# KiCad board panel1.kicad_pcb (continued)
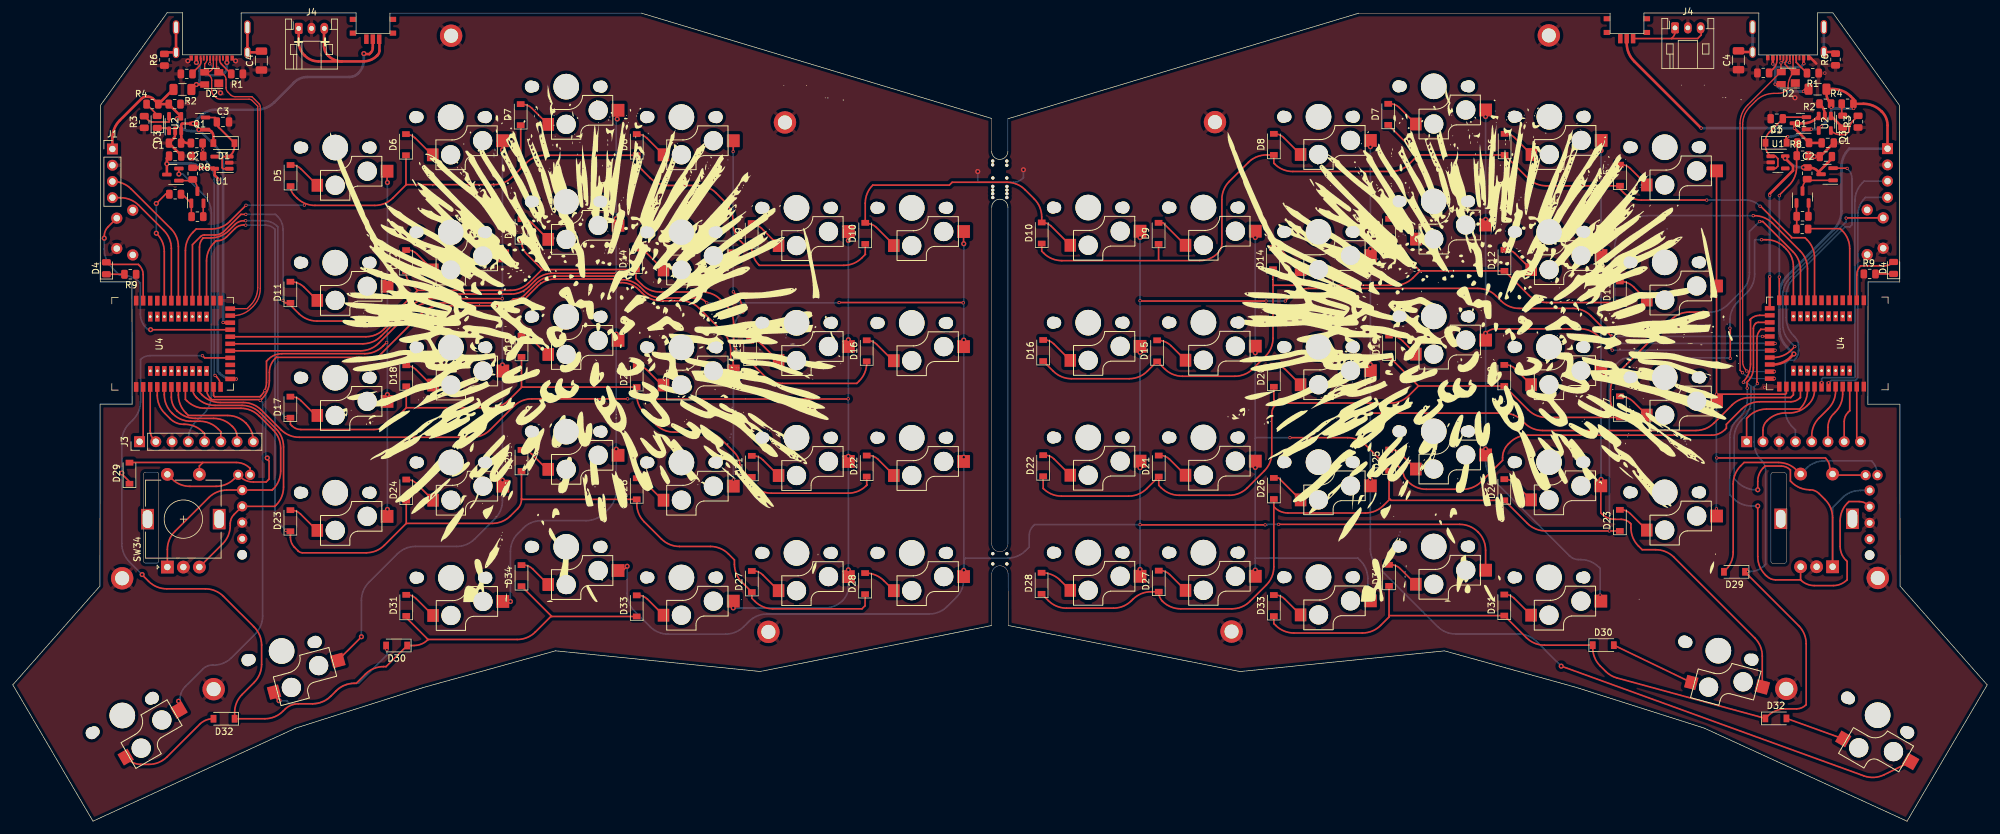
[diagram p0: board, top side]
## Routing (per net, layer and track width the routed paths; a pad name or vN(x,y) marks a point on that pad's centre or on a via; arc(x,y) is an arc through that point) (continued)
RST: length 24.8
  Top w0.25: J3#2.7 286.21,62.52 arc(286.36,63.28) 286.79,63.93 287.07,64.21 287.07,64.21 U4.35 ; U4#2.6 24.78,66.33 arc(25.01,65.18) 25.66,64.21 25.68,64.18 arc(26.98,63.31) 28.51,63.01 31.39,63.01 arc(32.92,62.71) 34.22,61.84 34.46,61.6 arc(34.9,60.95) 35.05,60.18 J3.7
SCLK: length 22.8
  Top w0.25: J3.5 29.97,60.63 29.69,60.91 arc(28.39,61.77) 26.86,62.08 26.72,62.08 arc(25.57,62.31) 24.59,62.96 23.75,63.8 arc(22.88,65.1) 22.58,66.63 U4#2.4 ; U4.33 284.87,67.32 arc(284.56,65.79) 283.7,64.5 282.3,63.1 arc(281.43,61.8) 281.13,60.27 J3#2.5
SWC: length 64.8
  Top w0.25: U4#2.31 25.88,89.86 arc(25.57,91.39) 24.71,92.69 18.5,98.9 arc(17.2,99.76) 15.67,100.07 J1.3 ; U4.31 v2(282.67,68.6)
  Bottom w0.25: J1#2.3 289.32,100.12 289.06,99.85 arc(288.19,98.55) 287.88,97.02 287.88,69.53 287.74,69.39 282.88,69.39 282.68,69.19 282.68,68.61 v2(282.67,68.6)
SWD: length 58.2
  Top w0.25: J1.4 16.84,97.53 arc(18.37,97.22) 19.66,96.36 23.61,92.41 arc(24.47,91.12) 24.78,89.59 U4#2.32
  Bottom w0.25: v2(283.77,68.55) 284.15,68.94 287.93,68.94 288.33,69.34 288.33,94.73 arc(288.64,96.26) 289.5,97.56 289.52,97.58 J1#2.4
Net-(C3-Pad1): length 26.9
  Top w0.25: Q1.2 276.85,110.12 C3#2.1 274.49,107.76 arc(274.06,107.11) 273.91,106.34 D1.1 273.91,105.65 arc(274.06,104.88) 274.49,104.23 U1#2.1 275.47,104.01 275.84,103.63 275.84,102.46 275.49,102.11 U1#2.3 ; 30.18,110.07 31.61,110.07 31.8,109.88 ; U1.1 32.86,102.06 32.71,102.21 32.71,103.71 32.96,103.96 U1.3
  Top w0.3: U1.3 34.06,104.18 arc(34.49,104.83) 34.64,105.6 D1#2.1 32.18,108.53 arc(31.96,108.85) 31.89,109.24
Net-(D3-Pad1): length 4.6
  Top w0.25: U2.1 23.97,108.44 D3#2.1
  Top w0.4: D3.1 284.15,110.31 U2#2.1
Net-(D3-Pad2): length 4.3
  Top w0.25: D3.2 285.82,110.51 R4.2 ; 20.88,112.17 22.58,110.47
Net-(D4-Pad1): length 5.6
  Top w0.25: D4.1 14.63,85.55 R9.1 ; R9#2.1 293.92,85.6 D4#2.1
Net-(D5-Pad2): length 10.8
  Top w0.25: D5#2.2 251.36,102.69 arc(252.12,102.54) 252.77,102.11 SW2#2.1 ; D5.2 43.59,102.64 arc(44.36,102.49) 45.01,102.06 SW2.1
Net-(D6-Pad2): length 10.8
  Top w0.25: SW3.1 234.68,106.93 arc(234.03,107.36) 233.26,107.52 D6.2 ; 61.29,107.44 61.47,107.44 arc(62.24,107.29) 62.89,106.86 65.47,104.27
Net-(D7-Pad2): length 10.9
  Top w0.25: D7#2.2 215.27,112.22 arc(216.03,112.06) 216.68,111.63 SW4.1 ; 79.5,112.12 79.69,112.12 arc(80.45,111.96) 81.1,111.53 83.68,108.95
Net-(D8-Pad2): length 10.8
  Top w0.25: 97.48,107.44 97.67,107.44 arc(98.43,107.29) 99.08,106.86 101.67,104.27 ; SW5#2.1 198.61,106.93 arc(197.96,107.36) 197.19,107.52 D8.2
Net-(D9-Pad2): length 11.1
  Top w0.25: SW6.1 179.76,93.6 D9#2.2 ; 119.6,90.15 117.02,92.73 arc(116.37,93.17) 115.6,93.32 115.41,93.32
Net-(D10-Pad2): length 47.8
  Top w0.25: D10.2 133.22,96.66 arc(133.52,98.19) 134.39,99.49 146.35,99.49 146.81,99.94 155.37,99.94 arc(156.9,99.64) 158.19,98.77 159.63,97.34 arc(160.49,96.04) 160.8,94.51 D10#2.2 160.87,93.65 arc(161.64,93.5) 162.29,93.06 SW7.1 ; 133.35,93.47 133.53,93.47 arc(134.3,93.32) 134.95,92.89 137.53,90.3
Net-(D11-Pad2): length 10.6
  Top w0.25: D11.2 43.43,84.38 arc(44.58,84.15) 45.55,83.5 SW8#2.1 ; SW8.1 253.32,83.55 arc(252.35,84.2) 251.2,84.43 D11#2.2
Net-(D12-Pad2): length 10.8
  Top w0.25: D12#2.2 233.36,89.38 arc(234.13,89.23) 234.78,88.8 SW9.1 ; D12.2 61.72,89.33 arc(62.48,89.18) 63.13,88.75 SW9#2.1
Net-(D13-Pad2): length 10.8
  Top w0.25: D13.2 215.27,94.22 arc(216.03,94.07) 216.68,93.63 SW10#2.1 ; SW10.1 81.1,93.58 arc(80.45,94.02) 79.69,94.17 D13#2.2
Net-(D14-Pad2): length 11.2
  Top w0.25: SW11.1 98.92,89 arc(98.27,89.43) 97.5,89.59 D14.2 ; D14#2.2 197.07,89.64 arc(197.83,89.48) 198.48,89.05 SW11#2.1
Net-(D15-Pad2): length 11
  Top w0.25: 115.39,75.21 115.58,75.21 arc(116.34,75.06) 116.99,74.62 119.57,72.04 ; D15#2.2 178.91,75.22 arc(180.06,74.99) 181.03,74.34 SW12#2.1
Net-(D16-Pad2): length 10.9
  Top w0.25: 133.4,75.18 133.58,75.18 arc(134.35,75.03) 135,74.6 137.58,72.02 ; D16.2 161.24,75.27 arc(162.01,75.12) 162.66,74.69 SW13#2.1
Net-(D17-Pad2): length 10.7
  Top w0.25: SW14.1 253.29,65.58 arc(252.32,66.23) 251.17,66.46 D17.2 ; 43.43,66.37 43.62,66.37 arc(44.38,66.22) 45.03,65.79 47.61,63.2
Net-(D18-Pad2): length 10.8
  Top w0.25: 65.6,68.05 63.02,70.64 arc(62.37,71.07) 61.6,71.22 61.41,71.22 ; D18.2 233.34,71.37 arc(234.1,71.22) 234.75,70.79 SW15#2.1
Net-(D19-Pad2): length 10.7
  Top w0.25: D19.2 215.11,75.97 arc(216.25,75.74) 217.23,75.09 SW16#2.1 ; 83.81,72.68 81.23,75.26 arc(80.58,75.69) 79.81,75.85 79.62,75.85
Net-(D20-Pad2): length 10.7
  Top w0.25: 97.46,71.2 97.64,71.2 arc(98.41,71.04) 99.06,70.61 101.64,68.03 ; SW17#2.1 198.86,70.66 arc(198.21,71.09) 197.45,71.25 D20.2
Net-(D21-Pad2): length 10.8
  Top w0.25: D21.2 179.36,57.2 arc(180.13,57.05) 180.78,56.61 SW18#2.1 ; 115.59,57.13 115.78,57.13 arc(116.54,56.97) 117.19,56.54 119.78,53.96
Net-(D22-Pad2): length 10.9
  Top w0.25: 133.6,57.2 133.79,57.2 arc(134.55,57.05) 135.2,56.62 137.78,54.03 ; D22#2.2 161.3,57.25 arc(162.07,57.1) 162.72,56.66 SW19.1
Net-(D23-Pad2): length 10.8
  Top w0.25: 47.54,45.47 44.96,48.06 arc(44.31,48.49) 43.54,48.64 43.35,48.64 ; SW20#2.1 252.77,48.12 arc(252.12,48.55) 251.36,48.7 D23.2
Net-(D24-Pad2): length 10.9
  Top w0.25: D24#2.2 233.21,53.49 arc(233.98,53.34) 234.63,52.91 SW21#2.1 ; D24.2 61.61,53.44 arc(62.38,53.29) 63.03,52.86 SW21.1
Net-(D25-Pad2): length 10.8
  Top w0.25: D25#2.2 215.39,58.13 arc(216.16,57.97) 216.81,57.54 SW22#2.1 ; 83.66,54.87 81.07,57.45 arc(80.43,57.89) 79.66,58.04 79.47,58.04
Net-(D26-Pad2): length 11
  Top w0.25: D26.2 197.82,53.7 SW23#2.1 ; 97.35,53.42 97.54,53.42 arc(98.31,53.26) 98.96,52.83 101.54,50.25
Net-(D27-Pad2): length 10.7
  Top w0.25: SW24.1 117.18,38.56 arc(116.53,38.99) 115.77,39.14 D27.2 ; D27#2.2 179.36,39.19 arc(180.13,39.04) 180.78,38.61 SW24#2.1
Net-(D28-Pad2): length 10.9
  Top w0.25: SW25.1 163.68,37.69 arc(162.39,38.56) 160.86,38.86 D28#2.2 ; SW25#2.1 136.1,37.64 arc(134.81,38.51) 133.28,38.81 D28.2
Net-(D29-Pad2): length 63.6
  Top w0.25: 29.71,56.11 34.92,56.11 arc(36.07,55.88) 37.05,55.23 37.08,55.19 37.08,54.19 SW32.S1 ; 29.71,56.11 18.54,56.11 ; 29.71,56.11 29.16,55.55 SW34.S1 ; D29#2.2 267.69,39.29 arc(268.55,40.59) 268.86,42.12 268.86,52.75 arc(269.16,54.28) 270.03,55.58 270.56,56.11 275.93,56.11 arc(277.46,55.8) 278.76,54.94 SW34#2.S1
  Bottom w0.25: SW32#2.S1 291.41,54.19 arc(291.18,55.34) 290.53,56.31 290.47,56.36 283.11,56.36 arc(281.58,56.06) 280.28,55.19 SW34#2.S1
Net-(D30-Pad2): length 35.8
  Top w0.25: SW26.1 40.83,19.62 v1(41.6,18.85) ; SW26#2.1 D30#2.2
  Bottom w0.25: v1(41.6,18.85) 42.8,18.85 43.25,18.39 46.85,18.39 arc(48.38,18.69) 49.68,19.56 50.54,20.42 arc(51.84,21.29) 53.37,21.59 54.05,21.59 58.47,26.01 v2(58.47,26.82)
Net-(D31-Pad2): length 10.9
  Top w0.25: D31#2.2 61.61,35.41 arc(62.38,35.26) 63.03,34.82 SW27#2.1 ; SW27.1 234.63,34.87 arc(233.98,35.31) 233.21,35.46 D31.2
Net-(D32-Pad2): length 26.2
  Top w0.25: SW28#2.1 17.9,9.77 arc(18.87,9.12) 20.02,8.89 21.28,8.89 arc(22.81,9.2) 24.1,10.06 29.19,15.15 arc(30.16,15.8) 31.31,16.03 D32#2.2 ; SW28.1 D32.2
Net-(D33-Pad2): length 10.8
  Top w0.25: SW29#2.1 99.17,34.74 arc(98.52,35.17) 97.76,35.33 D33#2.2 ; SW29.1 198.73,34.79 arc(198.09,35.22) 197.32,35.38 D33.2
Net-(D34-Pad2): length 10.7
  Top w0.25: D34.2 79.81,40.06 arc(80.58,39.9) 81.23,39.47 SW30#2.1 ; SW30.1 216.81,39.52 arc(216.16,39.95) 215.39,40.11 D34#2.2
Net-(J4-Pad1): length 39.4
  Top w0.25: 263.86,124.05 263.86,122.97 263.31,122.42 259.25,122.42 ; 259.25,122.42 259.28,122.45 arc(259.71,123.1) 259.86,123.86 259.86,124.05 ; 259.25,122.42 SW33#2.1
  Top w0.4: 48.64,123.9 48.64,121.23 arc(48.79,120.46) 49.22,119.81 49.31,119.73 arc(50.28,119.08) 51.43,118.85 ; 51.43,118.85 47.77,118.85 arc(46.62,119.08) 45.65,119.73 45.55,119.82 arc(44.9,120.8) 44.67,121.94 44.67,124 ; 51.43,118.85 54.79,118.85 arc(55.93,119.08) 56.91,119.73 57.01,119.82 arc(57.22,120.15) 57.3,120.53 57.3,122.28
Net-(Q2-Pad1): length 8.4
  Top w0.25: R10.2 278.78,92.68 R11#2.2 278.75,94.65 Q2#2.1 ; R11.2 27.9,94.6 Q2.1 26.48,98.07 R10#2.2
Net-(Q2-Pad2): length 4.2
  Top w0.25: Q2#2.2 280.65,94.65 R11#2.1 ; Q2.2 29.76,96.61 R11.1
Net-(Q2-Pad3): length 10.5
  Top w0.25: Q3#2.1 27.92,100.19 R12.1 28.26,100.23 arc(28.7,99.58) 28.85,98.82 Q2.3 ; Q3.1 280.62,100.24 R12#2.1 280.28,100.28 arc(279.85,99.63) 279.7,98.87 Q2#2.3
Net-(R3-Pad2): length 11.2
  Top w0.25: 24.42,110.22 24.42,109.36 21.91,109.36 arc(21.52,109.44) 21.2,109.66 20.54,110.31 ; U2#2.5 284.18,107.98 arc(284.83,107.54) 285.59,107.39 286.46,107.39 286.99,107.92 286.99,108.14 arc(287.15,108.9) 287.58,109.55 R3#2.2

## Copper pours and planes (outline as drawn; the poured copper is in the pictures)
GND on Top, Bottom: 153.14,28.9 14.78,-8.94 7.26,0.31 -8.97,16.36 13.94,122.33 15.21,130.96 152.78,122.99
GND on Top, Bottom: 314.58,-3.1 155.22,-3.1 155.22,126.46 314.58,126.46

## Text on the board
B.Mask: Hakea
B.Silkscreen: +  +
F.Mask: Hakea
F.Silkscreen: +  +
